# KiCad board 10133.kicad_pcb (continued)
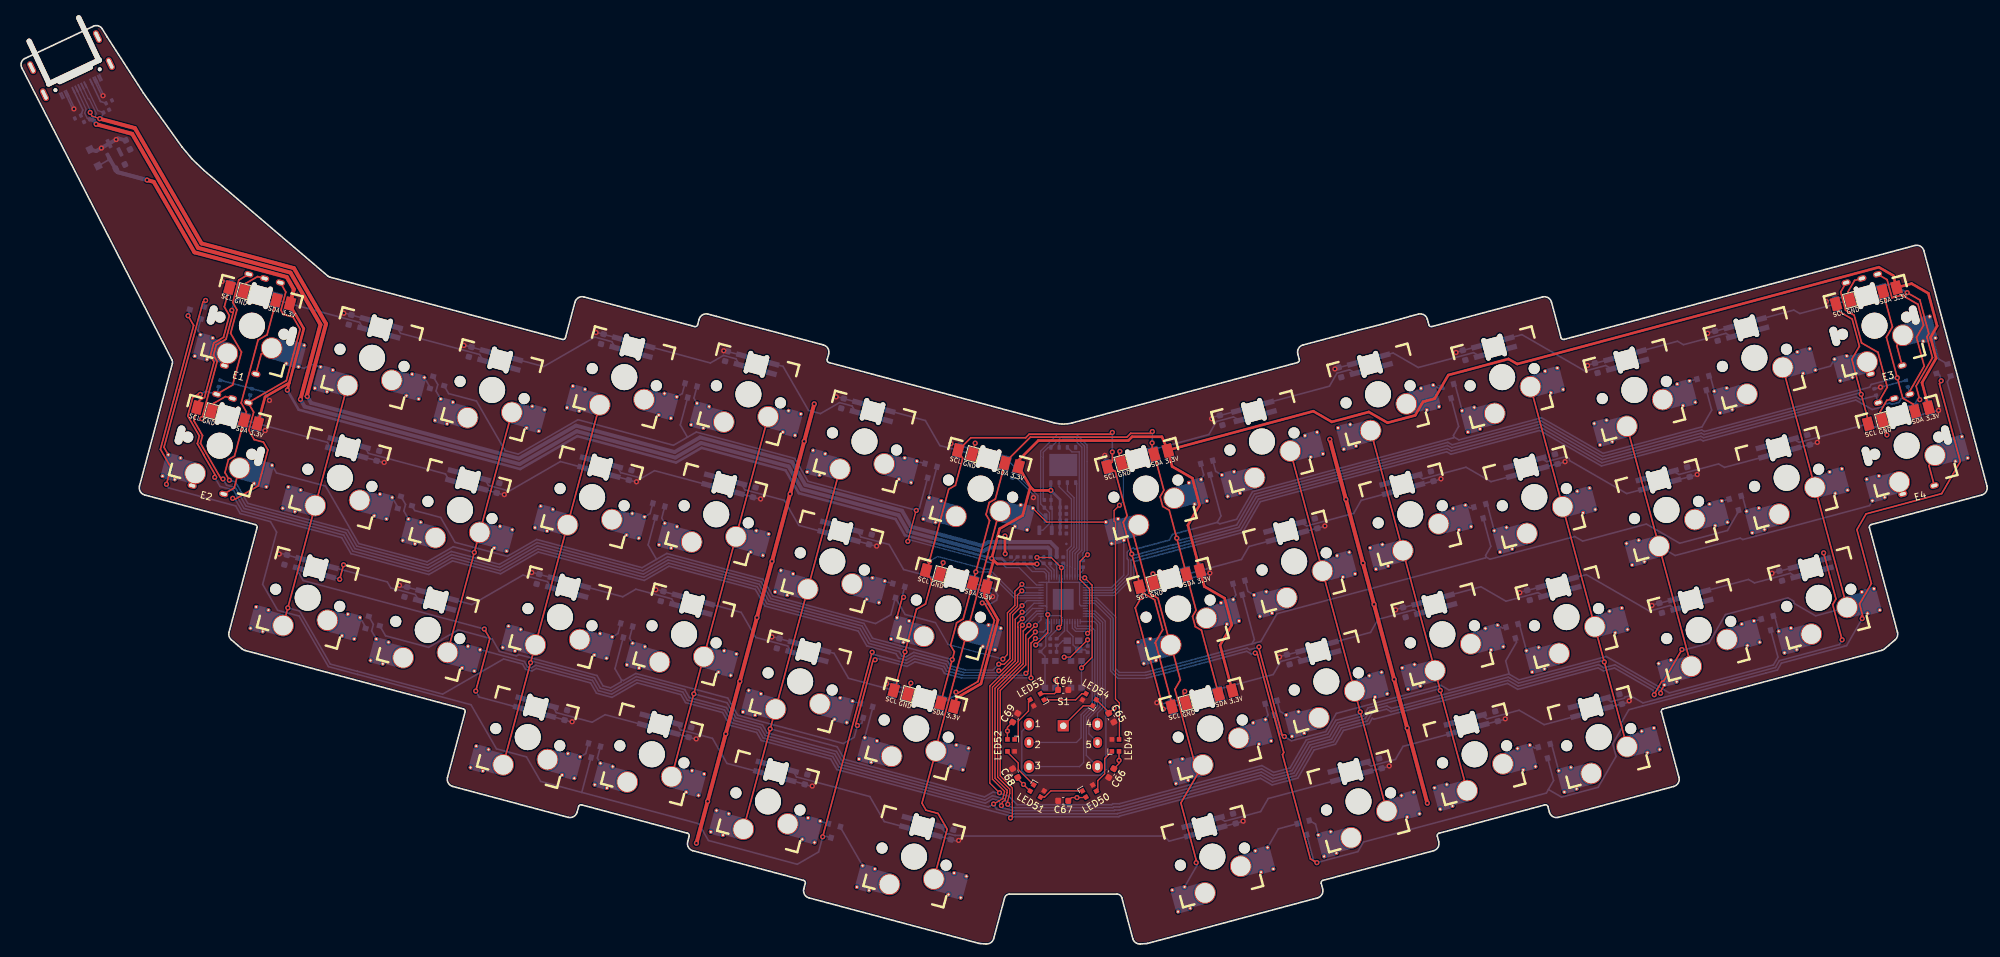
[diagram p0: board, top side]
## Footprints (pads in the part's own frame, mm; a bottom-side part is the same pattern mirrored in y, then rotated) (continued)
  oval 3.2x0.725 hole 3.2x0.725 unplated: (0,-1.088) (0,0) (0,0) (0,1.088)
  round 2 hole 2 unplated: (0,0)
  round 2.5 hole 2.5 unplated: (0,0)
  rect 1.8x0.82 smd: 1(2.5,0.75) 2(2.5,-0.75) 3(-2.5,-0.75) 4(-2.5,0.75)
WSON-8-1EP_6x5mm_P1.27mm_EP3.4x4.3mm
  rrect 1.37x1.73 smd: (-0.85,-1.075) (-0.85,1.075) (0.85,-1.075) (0.85,1.075)
  rrect 0.75x0.5 smd: 1(-2.7,1.905) 2(-2.7,0.635) 3(-2.7,-0.635) 4(-2.7,-1.905) 5(2.7,-1.905) 6(2.7,-0.635) 7(2.7,0.635) 8(2.7,1.905)
  rect 3.4x4.3 smd: 9(0,0)

## Nets
+1V1: C7.1 C8.1 C13.1 U1.23 U1.45 U1.50
+3V3: C1.1 C2.1 C3.1 C4.1 C5.1 C6.1 C10.1 C15.1 D13.2 J3.4 J4.4 J5.4 J6.4 J7.4 J8.4 J9.4 J10.4 J11.4 J12.4 Q1.1 R1.1 R4.1 R6.2 R9.1 U1.1 U1.10 U1.22 U1.33 U1.42 U1.44 U1.48 U1.49 U2.2 U3.8
+5V: C14.2 C16.1 C17.1 C18.1 C19.1 C20.1 C21.1 C22.1 C23.1 C24.1 C25.1 C26.1 C27.1 C28.1 C29.1 C30.1 C31.1 C32.1 C33.1 C34.1 C35.1 C36.1 C37.1 C38.1 C39.1 C40.1 C41.1 C42.1 C43.1 C44.1 C45.1 C46.1 C47.1 C48.1 C49.1 C50.1 C51.1 C52.1 C53.1 C54.1 C55.1 C56.1 C57.1 C58.1 C59.1 C60.1 C61.1 C62.1 C63.1 C64.1 C65.1 C66.1 C67.1 C68.1 C69.1 D13.1 J13.A4 J13.A9 J13.B4 J13.B9 LED1.1 LED2.1 LED3.1 LED4.1 LED5.1 LED6.1 LED7.1 LED8.1 LED9.1 LED10.1 LED11.1 LED12.1 LED13.1 LED14.1 LED15.1 LED16.1 LED17.1 LED18.1 LED19.1 LED20.1 LED21.1 LED22.1 LED23.1 LED24.1 LED25.1 LED26.1 LED27.1 LED28.1 LED29.1 LED30.1 LED31.1 LED32.1 LED33.1 LED34.1 LED35.1 LED36.1 LED37.1 LED38.1 LED39.1 LED40.1 LED41.1 LED42.1 LED43.1 LED44.1 LED45.1 LED46.1 LED47.1 LED48.1 LED49.4 LED50.4 LED51.4 LED52.4 LED53.4 LED54.4 R7.2 R12.2 R13.2 R14.2 R15.2 U2.3
GND: C1.2 C2.2 C3.2 C4.2 C5.2 C6.2 C7.2 C8.2 C9.2 C10.2 C11.2 C12.1 C13.2 C14.1 C15.2 C16.2 C17.2 C18.2 C19.2 C20.2 C21.2 C22.2 C23.2 C24.2 C25.2 C26.2 C27.2 C28.2 C29.2 C30.2 C31.2 C32.2 C33.2 C34.2 C35.2 C36.2 C37.2 C38.2 C39.2 C40.2 C41.2 C42.2 C43.2 C44.2 C45.2 C46.2 C47.2 C48.2 C49.2 C50.2 C51.2 C52.2 C53.2 C54.2 C55.2 C56.2 C57.2 C58.2 C59.2 C60.2 C61.2 C62.2 C63.2 C64.2 C65.2 C66.2 C67.2 C68.2 C69.2 D26.2 D27.2 E1.3 E2.3 E3.3 E4.3 J3.1 J4.1 J5.1 J6.1 J7.1 J8.1 J9.1 J10.1 J11.1 J12.1 J13.A1 J13.A12 J13.B1 J13.B12 J13.S1 LED1.3 LED2.3 LED3.3 LED4.3 LED5.3 LED6.3 LED7.3 LED8.3 LED9.3 LED10.3 LED11.3 LED12.3 LED13.3 LED14.3 LED15.3 LED16.3 LED17.3 LED18.3 LED19.3 LED20.3 LED21.3 LED22.3 LED23.3 LED24.3 LED25.3 LED26.3 LED27.3 LED28.3 LED29.3 LED30.3 LED31.3 LED32.3 LED33.3 LED34.3 LED35.3 LED36.3 LED37.3 LED38.3 LED39.3 LED40.3 LED41.3 LED42.3 LED43.3 LED44.3 LED45.3 LED46.3 LED47.3 LED48.3 LED49.2 LED50.2 LED51.2 LED52.2 LED53.2 LED54.2 R10.2 R11.2 SW1.1 SW2.1 U1.19 U1.57 U2.1 U3.4 Y1.2 Y1.4
/BOOT: R8.1 SW2.2 U1.56
/c0: E1.5 E3.4 K1.2 K12.1 K13.2 K24.1 K25.2 K36.1 K37.1 K48.2 U1.29
/c1: E2.5 E4.4 K2.1 K11.2 K14.1 K23.2 K26.1 K35.2 K38.1 K47.2 U1.32
/c2: K3.2 K10.1 K15.2 K22.1 K27.2 K34.1 K39.2 K46.1 U1.31
/c3: K4.1 K9.2 K16.1 K21.2 K28.1 K33.2 K40.1 K45.2 U1.30
/c4: K5.2 K8.1 K17.2 K20.1 K29.2 K32.1 K41.2 K44.1 U1.34
/c5: K6.1 K7.2 K18.1 K19.2 K30.1 K31.2 K42.1 K43.2 U1.3
/Center: S1.3 U1.16
/CLK: U1.52 U3.6
/Common: S1.1 U1.12
/CS: R8.2 R9.2 U3.1
/D+: D26.1 J13.A6 J13.B6 R2.1
/D-: D27.1 J13.A7 J13.B7 R3.1
/Down: S1.6 U1.15
/e1A: E1.1 E2.1 R13.1 U1.35
/e1B: E1.2 E2.2 R12.1 U1.38
/e2A: E3.1 E4.1 R15.1 U1.6
/e2B: E3.2 E4.2 R14.1 U1.5
/k37: D20.2 E1.4 K37.2
/k38: D20.1 E2.4 K38.2
/k47: D25.2 E4.5 K47.1
/k48: D25.1 E3.5 K48.1
/Left: S1.2 U1.17
/r0: D1.3 D2.3 D3.3 U1.41
/r1: D7.3 D8.3 D9.3 U1.40
/r2: D14.3 D15.3 D16.3 U1.27
/r3: D20.3 D21.3 D22.3 U1.28
/r4: D4.3 D5.3 D6.3 U1.4
/r5: D10.3 D11.3 D12.3 U1.7
/r6: D17.3 D18.3 D19.3 U1.8
/r7: D23.3 D24.3 D25.3 U1.9
/RESET: R1.2 SW1.2 U1.26
/RGB_3.3v: Q1.2 R6.1 U1.18
/RGB_5v: LED1.4 Q1.3 R7.1
/Right: S1.5 U1.14
/SCL: J3.3 J4.3 J5.3 J6.3 J7.3 J8.3 J9.3 J10.3 J11.3 J12.3 U1.37
/SDA: J3.2 J4.2 J5.2 J6.2 J7.2 J8.2 J9.2 J10.2 J11.2 J12.2 U1.36
/SPI-0: U1.53 U3.5
/SPI-1: U1.55 U3.2
/SPI-2: U1.54 U3.3
/SPI-3: U1.51 U3.7
/Up: S1.4 U1.13
Net-(C12-Pad2): C12.2 R5.2 Y1.3
Net-(D1-A-Pad1): D1.1 K1.1
Net-(D1-A-Pad2): D1.2 K2.2
Net-(D2-A-Pad1): D2.1 K3.1
Net-(D2-A-Pad2): D2.2 K4.2
Net-(D3-A-Pad1): D3.1 K5.1
Net-(D3-A-Pad2): D3.2 K6.2
Net-(D4-A-Pad1): D4.1 K7.1
Net-(D4-A-Pad2): D4.2 K8.2
Net-(D5-A-Pad1): D5.1 K9.1
Net-(D5-A-Pad2): D5.2 K10.2
Net-(D6-A-Pad1): D6.1 K11.1
Net-(D6-A-Pad2): D6.2 K12.2
Net-(D7-A-Pad1): D7.1 K13.1
Net-(D7-A-Pad2): D7.2 K14.2
Net-(D8-A-Pad1): D8.1 K15.1
Net-(D8-A-Pad2): D8.2 K16.2
Net-(D9-A-Pad1): D9.1 K17.1
Net-(D9-A-Pad2): D9.2 K18.2
Net-(D10-A-Pad1): D10.1 K19.1
Net-(D10-A-Pad2): D10.2 K20.2
Net-(D11-A-Pad1): D11.1 K21.1
Net-(D11-A-Pad2): D11.2 K22.2
Net-(D12-A-Pad1): D12.1 K23.1
Net-(D12-A-Pad2): D12.2 K24.2
Net-(D14-A-Pad1): D14.1 K25.1
Net-(D14-A-Pad2): D14.2 K26.2
Net-(D15-A-Pad1): D15.1 K27.1
Net-(D15-A-Pad2): D15.2 K28.2
Net-(D16-A-Pad1): D16.1 K29.1
Net-(D16-A-Pad2): D16.2 K30.2
Net-(D17-A-Pad1): D17.1 K31.1
Net-(D17-A-Pad2): D17.2 K32.2
Net-(D18-A-Pad1): D18.1 K33.1
Net-(D18-A-Pad2): D18.2 K34.2
Net-(D19-A-Pad1): D19.1 K35.1
Net-(D19-A-Pad2): D19.2 K36.2
Net-(D21-A-Pad1): D21.1 K39.1
Net-(D21-A-Pad2): D21.2 K40.2
Net-(D22-A-Pad1): D22.1 K41.1
Net-(D22-A-Pad2): D22.2 K42.2
Net-(D23-A-Pad1): D23.1 K43.1
Net-(D23-A-Pad2): D23.2 K44.2
Net-(D24-A-Pad1): D24.1 K45.1
Net-(D24-A-Pad2): D24.2 K46.2
Net-(J1-Pin_1): LED54.1 RGB.1
Net-(J13-CC1): J13.A5 R10.1
Net-(J13-CC2): J13.B5 R11.1
Net-(LED1-DOUT): LED1.2 LED2.4
Net-(LED2-DOUT): LED2.2 LED3.4
Net-(LED3-DOUT): LED3.2 LED4.4
Net-(LED4-DOUT): LED4.2 LED5.4
Net-(LED5-DOUT): LED5.2 LED6.4
Net-(LED6-DOUT): LED6.2 LED7.4
Net-(LED7-DOUT): LED7.2 LED8.4
Net-(LED8-DOUT): LED8.2 LED9.4
Net-(LED10-DIN): LED9.2 LED10.4
Net-(LED10-DOUT): LED10.2 LED11.4
Net-(LED11-DOUT): LED11.2 LED12.4
Net-(LED12-DOUT): LED12.2 LED13.4
Net-(LED13-DOUT): LED13.2 LED14.4
Net-(LED14-DOUT): LED14.2 LED15.4
Net-(LED15-DOUT): LED15.2 LED16.4
Net-(LED16-DOUT): LED16.2 LED17.4
Net-(LED17-DOUT): LED17.2 LED18.4
Net-(LED18-DOUT): LED18.2 LED19.4
Net-(LED19-DOUT): LED19.2 LED20.4
Net-(LED20-DOUT): LED20.2 LED21.4
Net-(LED21-DOUT): LED21.2 LED22.4
Net-(LED22-DOUT): LED22.2 LED23.4
Net-(LED23-DOUT): LED23.2 LED24.4
Net-(LED24-DOUT): LED24.2 LED25.4
Net-(LED25-DOUT): LED25.2 LED26.4
Net-(LED26-DOUT): LED26.2 LED27.4
Net-(LED27-DOUT): LED27.2 LED28.4
Net-(LED28-DOUT): LED28.2 LED29.4
Net-(LED29-DOUT): LED29.2 LED30.4
Net-(LED30-DOUT): LED30.2 LED31.4
Net-(LED31-DOUT): LED31.2 LED32.4
Net-(LED32-DOUT): LED32.2 LED33.4
Net-(LED33-DOUT): LED33.2 LED34.4
Net-(LED34-DOUT): LED34.2 LED35.4
Net-(LED35-DOUT): LED35.2 LED36.4
Net-(LED36-DOUT): LED36.2 LED37.4
Net-(LED37-DOUT): LED37.2 LED38.4
Net-(LED38-DOUT): LED38.2 LED39.4
Net-(LED39-DOUT): LED39.2 LED40.4
Net-(LED40-DOUT): LED40.2 LED41.4
Net-(LED41-DOUT): LED41.2 LED42.4
Net-(LED42-DOUT): LED42.2 LED43.4
Net-(LED43-DOUT): LED43.2 LED44.4
Net-(LED44-DOUT): LED44.2 LED45.4
Net-(LED45-DOUT): LED45.2 LED46.4
Net-(LED46-DOUT): LED46.2 LED47.4
Net-(LED47-DOUT): LED47.2 LED48.4
Net-(LED48-DOUT): LED48.2 LED49.3
Net-(LED49-DOUT): LED49.1 LED50.3
Net-(LED50-DOUT): LED50.1 LED51.3
Net-(LED51-DOUT): LED51.1 LED52.3
Net-(LED52-DOUT): LED52.1 LED53.3
Net-(LED53-DOUT): LED53.1 LED54.3
Net-(U1-ADC_AVDD): C9.1 R4.2 U1.43
Net-(U1-USB_DM): R3.2 U1.46
Net-(U1-USB_DP): R2.2 U1.47
Net-(U1-XIN): C11.1 U1.20 Y1.1
Net-(U1-XOUT): R5.1 U1.21

Pads without a net: U1 2 11 24 25 39; U3 9

## Via types
v1: diameter 0.8, hole 0.4, Top to Bottom, 187 vias

## Routing (per net, layer and track width the routed paths; a pad name or vN(x,y) marks a point on that pad's centre or on a via; arc(x,y) is an arc through that point)
+1V1: length 23.8
  Top w0.2: v1(158.93,48.48) 159.35,48.9 v1(159.35,57.7) 157.78,59.27 v1(155.6,59.27)
  Bottom w0.2: U1.45 157.83,57.17 C8.1 156.5,58.37 v1(155.6,59.27) ; 159.83,57.74 159.83,58.17 C7.1 ; 159.83,57.74 159.79,57.7 v1(159.35,57.7) ; 159.83,57.74 U1.50 ; U1.23 159.03,48.58 157.63,47.18 C13.1
+3V3: length 512.6
  Top w0.2: v1(157.25,50.5) 157.25,47.69 v1(155.41,45.85)
  Top w0.4: v1(157.73,69.55) 155.13,69.55 154.58,70.1 ; 154.58,70.1 153.4,65.71 149.88,63.67 v1(148.66,59.12) ; 154.58,70.1 J5.4 152.79,74.18 155.81,77.19 169.59,77.19 170.18,77.77 174.74,77.77 J8.4 ; v1(148.66,59.12) 149.51,58.27 v1(155.6,58.27) ; v1(148.66,59.12) 148.91,58.69 J10.4 147.49,53.42 149.64,49.7 147.02,39.89 143.3,37.74 J4.4 ; J12.4 41.12,98.06 43.27,94.34 41.05,86.04 ; J8.4 176.31,73.22 179.41,71.43 180.51,67.31 178.73,64.21 J11.4 181.24,54.82 184.35,53.02 185.45,48.92 183.66,45.81 J3.4 ; J8.4 175.7,75.74 197.94,81.69 200.78,80.06 206.45,81.58 209.31,79.92 213.55,81.06 214.75,83.14 216.53,83.62 218.62,87.23 227.84,89.71 229.19,88.93 284.59,103.78 286.8,102.5 J9.4 289.6,101.26 292.18,99.77 293.52,94.76 292.52,93.02 293.37,89.83 291.2,86.07 J7.4 ; 41.05,86.04 v1(40.75,84.93) ; 41.05,86.04 37.33,83.89 J6.4
  Top w0.6: v1(19.26,117.14) 20.27,116.87 26.51,106.06 40.66,102.27 41.75,100.38 J12.4
  Bottom w0.2: R4.1 152.62,59.36 C6.1 ; R1.1 156.12,45.85 v1(155.41,45.85) ; 162.07,55.45 162.13,55.39 162.13,52.05 162.33,51.85 U1.10 ; 162.07,55.45 U1.1 ; 162.07,55.45 159.33,55.45 ; 157.11,51.65 157.11,50.65 v1(157.25,50.5) 157.42,50.34 159.15,50.34 159.43,50.06 U1.22 ; 157.11,51.65 156.91,51.85 U1.33 ; 157.11,51.65 157.11,55.39 157.05,55.45 ; 157.05,55.45 157.33,55.45 ; 157.05,55.45 U1.42 ; 157.33,55.45 157.43,55.55 157.43,56.08 ; 157.33,55.45 158.93,55.45 ; 159.33,55.45 159.43,55.55 159.43,56.08 ; 159.33,55.45 158.93,55.45 ; U1.48 159.03,55.55 159.03,55.55 158.93,55.45 ; v1(155.6,58.27) 155.5,58.37 C10.1 154.63,58.29 155.41,57.51 156.81,57.51 157.43,56.89 U1.44 ; v1(157.73,69.55) 157.76,69.52 R9.1 R6.2 157.92,66.74 157.92,63.49 Q1.1
  Bottom w0.25: C15.1 14.42,118.86 U2.2 13.28,120.19 D13.2
  Bottom w0.4: C6.1 150.93,58.37 150.18,59.12 v1(148.66,59.12) 135.36,62.69 133.94,65.15 119.11,69.12 117.09,72.63 104.21,76.08 100.3,73.83 85.18,77.88 76.43,72.83 42.49,81.92 v1(40.75,84.93) ; 157.72,69.65 U3.8 157.72,69.55 v1(157.73,69.55) 159.15,68.13 C5.1 C1.1
  Bottom w0.6: U2.2 14.7,118.36 v1(19.26,117.14) 14.75,118.35 C15.1
+5V: length 205.1
  Top w0.25: 148.71,53.33 148.77,53.32 v1(148.8,53.26) ; v1(182.09,56.87) 181.83,56.8
  Bottom w0.2: R7.2 152.48,71.46 155.06,68.87 v1(155.06,68.45)
  Bottom w0.25: LED20.1 40.71,59.63 C34.1 39.72,59.92 v1(39.5,59.79) ; LED15.1 133.95,39.57 C29.1 132.61,39.96 v1(132.54,39.93) ; v1(256.76,71.99) 256.73,71.93 C53.1 255.6,71.65 LED39.1 ; v1(246.34,37.28) 246.21,37.06 C42.1 245.21,36.82 LED28.1 ; LED29.1 269.39,57.17 C43.1 268.26,56.9 v1(268.22,56.84) ; v1(275.17,76.92) 275.13,76.86 C54.1 274,76.58 LED40.1 ; LED5.1 68.98,91.5 C20.1 67.86,91.82 v1(67.79,91.79) ; LED41.1 292.4,81.51 C55.1 293.71,81.83 v1(293.74,81.82) ; LED21.1 83.2,34.36 C35.1 84.32,34.04 v1(84.38,34.07) ; LED19.1 58.66,54.82 58.47,54.71 58.02,54.83 v1(57.93,54.99) ; LED31.1 230.74,54.21 C45.1 229.6,53.94 v1(229.57,53.87) ; LED16.1 116.17,46.81 C30.1 115.05,47.13 v1(114.99,47.1) ; v1(148.8,53.26) 148.47,53.83 C63.1 147.64,54.07 LED14.1 ; v1(37.34,78.73) 37.28,78.69 C23.1 36.01,79.06 LED8.1 ; LED32.1 211.72,51.58 C46.1 210.59,51.31 v1(210.55,51.24) ; v1(131.04,61.02) 130.98,60.98 C28.1 129.86,61.31 LED13.1 ; v1(124.85,83.9) 124.91,83.93 C17.1 126.03,83.61 LED2.1 ; LED12.1 112.08,68.54 C27.1 113.19,68.21 v1(113.26,68.25) ; v1(97.2,54.33) 97.26,54.36 C31.1 98.38,54.04 LED17.1 ; v1(88.04,93.76) 88.11,93.79 C19.1 89.23,93.47 LED4.1 ; LED25.1 186.02,18.49 C39.1 187.15,18.77 v1(187.19,18.83) ; v1(73.99,68.91) 73.93,68.87 C25.1 72.81,69.2 LED10.1 ; LED3.1 108.24,90.84 C18.1 107.69,91.01 v1(107.61,90.97) ; LED26.1 208.41,26.96 C40.1 209.54,27.23 v1(209.57,27.29) ; LED11.1 93.06,71.17 C26.1 94.18,70.84 v1(94.24,70.88) ; v1(199.71,64.1) 199.68,64.03 C50.1 198.54,63.76 LED36.1 ; LED45.1 220.88,91.02 C59.1 219.84,90.76 v1(219.81,90.7) ; LED6.1 50.57,96.43 C21.1 49.46,96.75 v1(49.39,96.72) ; LED42.1 277.93,98.91 C56.1 276.57,98.57 v1(276.53,98.51) ; J13.A4 7.82,128.13 v1(8.05,128.05) 8.1,128.2 J13.B9 ; LED47.1 183.65,81.04 C61.1 182.49,80.76 v1(182.37,80.54) ; v1(173.96,36.99) 174.47,36.7 C48.1 176.15,37.12 LED34.1 ; v1(30.73,101.59) 30.95,101.71 C22.1 32.17,101.36 LED7.1 ; v1(142.41,76.73) 142.47,76.76 C16.1 143.81,76.38 LED1.1 ; v1(227.36,34.53) 227.32,34.46 C41.1 226.19,34.19 LED27.1 ; J13.B4 12.26,130.17 v1(12.51,130.08) 12.56,130.21 J13.A9 ; v1(121.18,24.21) 121.12,24.18 C37.1 120,24.5 LED23.1 ; v1(217.5,71.33) 217.46,71.27 C51.1 216.33,70.99 LED37.1 ; LED48.1 166.29,73.92 C62.1 v1(166,74.92) ; LED38.1 235.35,73.62 C52.1 236.48,73.9 v1(236.51,73.96) ; LED9.1 54.41,74.13 C24.1 55.53,73.8 v1(55.59,73.84) ; v1(258.36,93.64) 258.39,93.7 C57.1 259.53,93.98 LED43.1 ; R14.2 283.91,85.13 v1(284.84,85.38) R15.2 ; LED22.1 102.22,31.73 C36.1 103.33,31.41 v1(103.4,31.44) ; v1(182.09,56.87) 182.08,56.85 C49.1 180.76,56.53 LED35.1 ; LED46.1 201.86,88.39 C60.1 201.29,88.26 v1(201.25,88.18) ; v1(249.82,51.9) 249.85,51.97 C44.1 250.99,52.24 LED30.1 ; LED33.1 193.93,44.35 C47.1 192.8,44.08 v1(192.77,44.01) ; v1(38.01,83.34) 37.26,84.63 R13.2 R12.2 ; v1(239.96,88.71) 239.99,88.77 C58.1 241.13,89.05 LED44.1 ; LED18.1 79.36,56.67 C32.1 78.25,56.99 v1(78.18,56.96) ; v1(143.6,15.87) 143.38,15.75 C38.1 142.38,16.04 LED24.1
  Bottom w0.6: C14.2 14.83,123.53 U2.3 11.45,121.58 D13.1
  vias: v1(12.26,122.05) v1(14.52,123.36)
GND: length 191.1
  Top w0.2: v1(158.43,40.45) 158.85,40.02 C64.2 158.28,38.38 LED53.2 ; C67.2 160.9,22.45 v1(161.73,22.45) 163.04,22.45 LED50.2 ; v1(167.43,36.15) 166.65,35.37 C65.2 166.6,35.56 LED54.2 ; v1(163.36,46.64) 160.7,43.98 v1(159.78,43.98) ; C66.2 168.18,27.67 LED49.2 ; C68.2 152.65,25.34 v1(153.54,24.46) LED51.2 ; C69.2 151.08,33.23 LED52.2
  Top w0.25: J9.1 279.85,99.98 280.87,101.75 E3.3 ; J11.1 173.19,56.43 v1(173.37,56.75) ; J5.1 v1(146.14,76.8) ; J6.1 29.44,82.89 31.26,83.94 E2.3 ; v1(48.77,55.92) v1(49.36,58.14) ; J3.1 178.03,38.36 v1(178.24,38.73) ; v1(168.3,75.53) 168.14,75.27 J8.1 ; J4.1 v1(136.28,40) ; J10.1 v1(141.23,58.47) ; v1(285.82,78.06) 285.71,78.13 J7.1 284.78,81.58 285.81,83.35 E4.3 ; E1.3 36.19,102.34 34.37,101.29 J12.1
  Top w0.4: v1(150.7,62.56) 150.7,59.87 v1(150.74,59.83)
  Top w0.6: v1(121.48,82.82) v1(103.43,15.45) ; v1(200.47,77.38) 215.43,21.55
  Bottom w0.2: v1(163.36,46.64) 163.37,46.63 C11.2
  Bottom w0.25: LED20.3 v1(48.76,55.92)
  vias: v1(105.14,21.86) v1(107.92,32.22) v1(110.07,40.27) v1(112.69,50.04) v1(115.01,58.67) v1(117.78,69.02) v1(119.94,77.07) v1(151.08,32.65) v1(168.18,28.15) v1(202.93,68.18) v1(205.55,58.4) v1(207.25,52.07) v1(210.33,40.57) v1(212.33,33.1) v1(215.41,21.6)
/BOOT: length 21.5
  Top w0.2: v1(162.92,56.15) 164.06,55.01 164.06,43.97 v1(162.43,42.34)
  Bottom w0.2: R8.1 162.65,57.27 162.23,56.85 U1.56 162.81,56.25 v1(162.92,56.15) ; SW2.2 162.43,43.4 v1(162.43,42.34) 162.43,42.34 SW2.2
/c0: length 393.8
  Top w0.2: v1(155.37,48.86) 153.89,47.38 153.89,42.79 149.98,38.88 149.98,25.76 151.83,23.91 151.83,21.71 151.83,19.61 ; 151.83,19.61 v1(151.55,19.33) 151.83,19.61
  Top w0.25: K12.1 K24.1 K36.1 ; v1(254.41,45.14) 251.64,40.34 251.32,40.25 250.17,38.26 v1(250.18,38.22) ; K25.2 K13.2 K1.2 ; K37.1 36.74,90.44 E1.5
  Bottom w0.2: U1.29 156.22,49.71 v1(155.37,48.86)
  Bottom w0.25: v1(254.41,45.14) 254.58,45.05 258.55,46.11 259.53,47.81 259.53,47.81 261.09,50.51 270.66,53.08 271.54,52.57 271.63,52.2 274.9,50.32 K36.1 ; K48.2 277.18,88.61 K12.1 ; K1.2 44.41,88.88 43.35,88.27 K37.1 ; v1(250.18,38.22) 250,38.91 244.08,42.32 242.39,41.87 241.57,42.34 229.26,39.05 227.7,39.95 207.23,34.46 206.97,34.62 206.5,33.8 202.55,32.74 201.33,30.63 198.06,29.75 195.57,25.44 191.62,24.38 189.85,25.4 168.25,19.61 168.14,19.5 151.99,19.5 124.92,26.76 124,28.36 113.36,31.21 112.65,32.43 108.56,33.53 107.43,35.49 101.75,37.01 101.05,38.23 94.33,40.03 90.49,37.81 88.11,38.45 87.2,40.03 78.89,42.25 78.22,41.87 77.24,42.13 76.78,42.92 73.88,43.7 64.54,38.31 51.46,41.81 51.45,41.81 47.33,42.91 42.64,51.05 v1(40.82,51.53)
/c1: length 389.2
  Top w0.2: v1(148.96,21.46) 149.78,21.94 149.78,21.95 150.35,22.28 150.63,23.32 150.63,23.41 148.78,25.27 148.78,39.37 152.69,43.29 152.69,48.57 152.67,48.59 152.67,49.2 v1(153.35,49.88)
  Top w0.25: K11.2 K23.2 K35.2 ; K26.1 v1(69.4,60.04) K14.1 K2.1 ; K38.1 32.6,69.93 E2.5 ; v1(251.16,38.44) 251.1,38.63 K35.2
  Bottom w0.2: v1(153.35,49.88) 154.92,51.45 U1.32
  Bottom w0.25: K47.2 283.16,67.21 265.81,62.56 265.81,62.56 263.75,62.01 263.36,62.24 253.38,59.56 K23.2 ; v1(69.4,60.04) 66.16,60.91 62.15,58.59 51.68,61.4 46.59,70.22 39.08,72.23 K38.1 ; K26.1 77.08,43.31 77.54,42.51 78.16,42.35 78.83,42.74 87.5,40.41 88.41,38.84 90.42,38.3 94.27,40.52 101.34,38.62 102.05,37.39 107.73,35.87 108.86,33.91 112.95,32.82 113.66,31.59 124.3,28.74 125.22,27.14 148.15,21 v1(148.96,21.46) 149.42,20.66 152.01,19.96 167.93,19.96 167.95,20 189.92,25.88 191.68,24.86 195.27,25.82 197.77,30.14 201.04,31.02 202.26,33.13 206.2,34.19 206.91,35.41 209.16,36.02 209.84,35.63 227.77,40.43 229.33,39.53 241.65,42.83 242.47,42.35 244.15,42.8 251.06,38.82 v1(251.16,38.44)
/c2: length 328.6
  Top w0.2: v1(153.37,48.88) 153.09,48.6 153.09,43.12 149.18,39.21 149.18,25.43 151.03,23.58 151.03,23.21 151.02,23.21 150.7,22.02 150.31,21.79 v1(150.15,21.21)
  Top w0.25: 78.01,43.12 v1(78.01,43.14) ; 78.01,43.12 K27.2 K15.2 K3.2 ; 78.01,43.12 K39.2 ; K46.1 v1(242.53,43.24) K34.1 K22.1 K10.1
  Bottom w0.2: U1.31 155.51,51.05 153.37,48.91 v1(153.37,48.88)
  Bottom w0.25: v1(242.53,43.24) 242.18,43.44 229.4,40.01 227.83,40.92 209.9,36.11 209.23,36.5 206.61,35.8 205.91,34.57 201.96,33.52 200.74,31.4 197.47,30.53 194.98,26.21 191.74,25.34 189.98,26.36 168.24,20.54 167.52,20.54 167.44,20.45 152,20.45 151.99,20.44 150.36,20.87 149.7,22.01 148.84,22.24 147.7,21.58 125.52,27.53 124.59,29.13 113.95,31.98 113.25,33.2 109.16,34.3 108.02,36.26 102.35,37.78 101.64,39.01 94.2,41 90.36,38.78 88.71,39.22 87.8,40.8 78.35,43.33 v1(78.01,43.14)
/c3: length 273.5
  Top w0.2: v1(151.13,21.42) 151.03,21.59 151.43,23.09 151.43,23.74 149.58,25.6 149.58,39.04 153.49,42.95 153.49,47.99 v1(154.37,48.87)
  Top w0.25: 103.03,38.36 K28.1 K16.1 K4.1 ; 103.03,38.36 K40.1 ; 103.03,38.36 v1(103.03,38.35) ; K45.2 K33.2 K21.2 K9.2
  Bottom w0.2: U1.30 155.68,50.65 154.37,49.34 v1(154.37,48.87)
  Bottom w0.25: v1(103.03,38.35) 108.13,36.98 109.45,34.69 113.54,33.59 114.25,32.37 124.89,29.52 125.81,27.91 147.63,22.07 148.78,22.73 150.67,22.22 151.32,21.08 151.99,20.9 167.25,20.9 167.37,21.02 168.22,21.02 190.02,26.86 191.81,25.83 194.68,26.6 197.17,30.91 200.45,31.79 201.67,33.9 205.61,34.96 206.31,36.17 206.31,36.18 217.06,39.07 v1(217.4,38.87)
/c4: length 247.5
  Top w0.2: v1(149.87,23.18) 148.38,24.68 148.38,39.54 152.27,43.43 152.27,49.79 153.33,50.85 v1(153.33,50.88)
  Top w0.25: 114.59,32.44 K29.2 K17.2 K5.2 ; 114.59,32.44 K41.2 ; 114.59,32.44 114.74,32.98 v1(114.73,32.99) ; K8.1 K20.1 K32.1 K44.1
  Bottom w0.2: v1(153.33,50.88) 153.79,50.88 155.16,52.25 U1.34
  Bottom w0.25: v1(205.13,35.58) 204.94,35.25 201.37,34.29 200.15,32.18 196.87,31.3 194.38,26.98 191.87,26.31 190.06,27.36 168.22,21.5 167.21,21.5 167.06,21.35 152.57,21.35 151.26,22.67 148.88,23.3 147.57,22.55 128.42,27.68 128.42,27.68 126.11,28.3 124.99,30.24 v1(114.73,32.99)
/c5: length 145
  Top w0.2: K6.1 157.11,64.68 K7.2
  Top w0.25: v1(180,12.46) 180,12.85 180,12.85 177.65,21.63 K31.2 179.62,28.26 176.74,39.04 177.57,40.49 176.15,45.83 K19.2 176.05,45.88 174.14,53.01 172.78,53.79 170.35,62.87 K7.2 ; K42.1 141.84,17.6 140.45,20.01 138.61,20.51 137.98,21.6 K30.1 140.04,29.73 144.9,47.9 K18.1 144.97,48.14 149.83,66.3 K6.1
  Bottom w0.2: U1.3 167.01,54.65 168.91,56.55 K7.2
  Bottom w0.25: v1(180,12.46) 180.11,12.03 K43.2
/Center: length 33.2
  Bottom w0.2: 154.38,27.2 162.09,27.2 162.11,27.19 162.76,27.84 162.76,34.98 164.47,36.69 164.47,48.08 163.81,48.74 161.84,48.74 161.83,48.75 U1.16
/CLK: length 15.2
  Bottom w0.2: U3.6 160.26,69.45 161.28,68.43 161.28,60.86 160.64,60.22 160.64,57.88 160.63,57.87 U1.52
/Common: length 47.6
  Bottom w0.2: U1.12 164.5,51.05 166.07,49.48 166.07,35.79 166.17,35.69 166.17,26.74 165.28,25.85 153.97,25.85 153.28,26.55 153.28,32.6 154.38,33.7
/CS: length 33.2
  Bottom w0.2: R8.2 162.64,58.81 162.64,59.96 162.88,60.2 162.88,76.34 161.42,77.8 159.37,77.8 U3.1 157.31,76.15 156.57,75.41 156.57,74.59 156.57,74.59 156.57,68.26 R9.2 ; 157.87,76.38 157.87,76.15
/D+: length 200.4
  Top w0.2: v1(10.54,127.51) 10.8,126.97 v1(12.01,126.55)
  Top w0.6: v1(12.01,126.55) 17.39,125.11 27.6,107.42 41.76,103.63 46.68,95.09 43.71,83.98 v1(43.8,83.96)
  Bottom w0.2: J13.B6 9.85,131.74 11.71,127.8 D26.1 12.29,126.69 v1(12.01,126.55) ; J13.A6 10.61,127.69 v1(10.54,127.51)
  Bottom w0.6: v1(43.8,83.96) 44.37,82.97 76.22,74.44 84.97,79.49 100.09,75.44 104,77.69 118.08,73.92 120.1,70.41 134.92,66.44 136.35,63.97 147.2,61.06 148.2,61.64 157.64,61.64 158.63,60.65 158.63,59.36 R2.1
/D-: length 199.9
  Top w0.6: v1(42.75,83.51) 45.83,94.98 41.23,102.94 27.07,106.74 16.98,124.22 v1(11.46,125.7)
  Bottom w0.2: J13.B7 9.91,128.01 9.7,127.41 10.09,126.6 D27.1 11.29,126.87 11.47,127.38 10.4,129.57 10.25,129.63 J13.A7
  Bottom w0.6: v1(42.75,83.51) 43.39,82.4 76.33,73.58 85.08,78.63 100.2,74.58 104.11,76.83 117.55,73.23 119.58,69.72 134.4,65.75 135.82,63.29 147.32,60.21 148.32,60.78 157.27,60.78 157.63,60.42 R3.1 ; D27.1 11.11,126.3 v1(11.46,125.7)
/Down: length 26
  Bottom w0.2: S1.6 163.16,28.92 163.16,34.81 164.87,36.52 164.87,48.99 164.41,49.45 U1.15
/e1A: length 188.3
  Top w0.2: v1(153.31,51.88) 151.87,50.43 151.87,43.6 150.17,41.9 v1(149.75,41.9)
  Top w0.25: E1.1 40.51,99.97 39.76,97.18 40.13,96.53 41.63,96.13 42.71,94.27 40.6,86.38 E2.1 35.59,81.55 34.84,78.77 35.68,77.33 37.08,76.96 37.77,75.75 36.3,70.25 32.79,68.22 v1(32.37,68.33)
  Bottom w0.2: U1.35 154.08,52.65 v1(153.31,51.88) ; v1(149.75,41.9) 149.45,41.6 144.38,41.6 144.33,41.65
  Bottom w0.25: v1(32.37,68.33) 32.75,68.23 33.81,66.39 49.08,62.3 50.5,59.85 62.43,56.65 66.04,58.74 73.42,56.76 79.19,60.1 95.43,55.75 99.21,57.93 112.45,54.38 113.93,51.81 128.21,47.98 129.52,45.71 134.02,44.51 134.41,43.83 135.56,43.52 136.78,44.23 141.64,42.93 142.02,42.26 144.33,41.65 ; E2.1 R13.1
/e1B: length 190.3
  Top w0.2: v1(153.28,54.15) 152.61,53.48 152.61,51.75 151.47,50.61 151.47,43.76 150.61,42.9 v1(149.75,42.9)
  Top w0.25: v1(27.42,84.27) 27.16,84.34 26.26,83.82 25.49,80.97 27.27,77.89 26.96,76.72 27.93,75.04 27.92,75 29.71,71.9 v1(29.62,71.56) ; E2.2 32.37,85.71 33.72,90.76 32.06,93.64 33.03,97.25 32.38,98.37 33.3,101.81 E1.2
  Bottom w0.2: U1.38 153.58,53.85 v1(153.28,54.15) ; v1(149.75,42.9) 148.85,42 144.65,42 144.57,42.08 144.44,42.08
  Bottom w0.25: v1(29.62,71.56) 30.43,70.15 32.47,69.61 34.1,66.78 49.38,62.69 50.79,60.24 62.37,57.14 65.98,59.22 73.36,57.25 79.13,60.58 95.37,56.23 99.15,58.41 112.74,54.77 114.23,52.2 128.51,48.37 129.82,46.1 134.52,44.84 134.91,44.16 135.49,44.01 136.72,44.71 141.94,43.32 142.32,42.65 144.44,42.08 ; R12.1 E2.2 28.24,84.75 v1(27.42,84.27)
/e2A: length 164
  Top w0.25: E3.1 285.86,101.86 286.6,99.08 288.14,99.49 290.59,98.08 291.44,94.89 290.36,93.02 291.54,88.61 289.25,84.63 E4.1
  Bottom w0.2: 170.44,58.62 170.44,56.38 167.51,53.45 U1.6 ; R15.1 289.34,84.31 E4.1
  Bottom w0.25: 289.34,84.31 289.11,83.91 287.99,83.61 287.67,83.05 286.57,82.76 286.24,82.94 285.45,82.73 285.26,82.4 283.57,81.95 281.05,83.41 257.66,77.14 257.26,77.37 242.08,73.3 232.64,78.75 219.02,75.1 218.38,75.47 189.83,67.82 187.1,63.1 170.45,58.64 170.44,58.62
/e2B: length 155.5
  Top w0.25: E3.2 278.74,99.97 279.49,97.18 280.81,96.42 281.95,92.17 284.46,90.72 285.88,85.39 E4.2
  Bottom w0.2: U1.5 167.34,53.85 170,56.5 170,58.82 170.28,59.1 170.31,59.1 ; E4.2 284.47,83.03 R14.1
  Bottom w0.25: 170.31,59.1 176.45,60.74 176.49,60.72 186.81,63.49 189.53,68.21 218.44,75.95 219.08,75.58 232.71,79.23 242.15,73.78 257.33,77.85 257.72,77.62 281.12,83.89 281.84,83.47 284.13,84.09 R14.1
/k37: length 2.6
  Bottom w0.25: D20.2 27.02,94.14 K37.2
/k38: length 25.9
  Top w0.25: v1(28.23,98.68) 27.82,98.44 24.23,85.03 21.85,76.16 K38.2
  Bottom w0.25: D20.1 27.97,97.71 v1(28.23,98.68)
/k47: length 14.7
  Top w0.25: K47.1 292.27,73.34 E4.5
  Bottom w0.25: K47.1 295.07,86.18 D25.2
/k48: length 10
  Top w0.25: E3.5 287.34,91.74 K48.1
  Bottom w0.25: D25.1 293.72,89.72 292.99,92.45 K48.1
/Left: length 29.1
  Bottom w0.2: S1.2 161.65,30.9 162.36,31.61 162.36,35.14 164.07,36.85 164.07,47.91 163.64,48.34 161.67,48.34 161.43,48.58 U1.17
/r0: length 122.6
  Top w0.2: v1(137.11,66.48) 137.08,66.46 v1(135.81,61.74)
  Bottom w0.2: v1(135.81,61.74) 136.18,61.95 147.82,58.83 147.96,58.58 148.59,58.42 148.6,58.42 148.61,58.42 150.17,58.42 150.87,57.73 152.85,57.73 155.53,55.05 U1.41
  Bottom w0.25: D2.3 100.96,79.59 102.05,77.71 ; D1.3 65.46,84.4 69.72,83.26 74.11,75.65 76.13,75.11 85.28,80.39 99.9,76.47 102.05,77.71 ; 102.05,77.71 103.41,78.49 118.49,74.45 120.52,70.95 137.1,66.5 v1(137.11,66.48) 137.57,66.75 D3.3
/r1: length 127
  Top w0.2: v1(153.29,55.15) 152.21,54.07 152.21,51.91 151.07,50.77 151.07,44.38 v1(150.37,43.68)
  Bottom w0.2: 140.05,49.27 141.98,45.93 v1(150.37,43.68) ; v1(153.29,55.15) 153.79,54.65 U1.40
  Bottom w0.25: 97.31,58.97 98.88,59.88 113.63,55.93 115.12,53.36 130.87,49.14 133.22,50.49 D9.3 135.39,50.52 140.05,49.27 ; 97.31,58.97 95.1,57.7 78.94,62.03 74.45,59.44 66.43,61.59 64.23,65.4 60.26,66.46 D7.3 ; 97.31,58.97 96.02,61.19 D8.3
/r2: length 137.3
  Top w0.2: v1(154.69,40.8) 154.69,46.12 155.37,46.8 v1(155.37,46.85)
  Top w0.25: v1(128.09,33.5) 127.9,33.83 130.45,43.38 v1(130.8,43.58)
  Bottom w0.2: v1(155.37,46.85) 156.17,46.85 157.43,48.11 U1.27 ; 144.05,40.79 144.05,40.8 v1(154.69,40.8)
  Bottom w0.25: D15.3 90.94,42.22 91.95,40.46 ; D14.3 55.8,47.25 62.39,45.48 64.4,46.64 64.41,46.7 66.94,48.16 72.13,46.77 73.24,44.86 75.84,44.16 76.21,44.37 88.19,41.16 89.1,39.58 90.29,39.27 91.88,40.19 91.95,40.46 ; 144.05,40.79 141.43,41.49 141.05,42.16 136.91,43.27 135.68,42.56 131.14,43.78 v1(130.8,43.58) ; D16.3 128.77,33.89 v1(128.09,33.5) 127.61,31.7 125.94,30.73 109.75,35.07 108.23,37.71 94.14,41.48 92.24,40.38 91.95,40.46
/r3: length 231.8
  Top w0.2: v1(153.91,41.5) 154.29,41.88 154.29,46.76 155.36,47.83 v1(155.36,47.85)
  Top w0.25: v1(22.23,70.49) 22.92,73.06 21.3,75.86 26.39,94.86 v1(25.54,96.34) ; v1(122.77,16.43) v1(130.35,44.74)
  Bottom w0.2: v1(153.91,41.5) 153.61,41.2 144.19,41.2 144.16,41.23 ; U1.28 157.03,48.27 156.6,47.85 v1(155.36,47.85)
  Bottom w0.25: 85.86,23.24 79.56,24.93 77.39,28.69 72.79,29.92 68.88,36.68 51.52,41.33 51.51,41.33 47.04,42.53 42.56,50.28 39.26,51.17 36.96,55.15 39.1,63.14 38.17,64.76 33.51,66.01 32.84,67.17 22.55,69.93 v1(22.23,70.49) ; 85.86,23.24 D21.3 ; 85.86,23.24 103.78,18.44 105.26,15.87 118.88,12.22 122.14,14.11 v1(122.77,16.43) ; D22.3 123,16.57 v1(122.77,16.43) ; v1(122.77,16.43) 122.79,16.4 ; v1(130.35,44.74) 130.55,44.4 135.62,43.04 136.84,43.75 141.34,42.54 141.73,41.88 144.16,41.23 ; v1(25.54,96.34) D20.3
/r4: length 126.8
  Bottom w0.2: 169.91,60.57 169.42,60.09 169.42,59.06 169.6,58.88 169.6,56.67 167.18,54.25 U1.4
  Bottom w0.25: D4.3 182.11,71.91 183.79,65.63 183.22,64.64 ; 219.48,77.74 219.41,77.98 220.21,79.36 D5.3 ; 219.48,77.74 219.41,77.61 188.64,69.37 186.19,65.12 183.6,64.42 183.22,64.64 ; 219.48,77.74 220.25,77.29 232.9,80.68 242.34,75.23 257.5,79.29 258.98,81.87 D6.3 ; 183.22,64.64 176.38,62.81 175.88,61.93 170.64,60.53 170.36,60.69 169.91,60.57
/r5: length 131.9
  Bottom w0.2: 172.17,41.64 168.23,41.64 167.67,42.2 167.67,50.15 164.77,53.05 U1.7
  Bottom w0.25: 224.41,59.33 224.34,59.58 225.14,60.96 D11.3 ; 224.41,59.33 224.34,59.21 192.37,50.64 189.91,46.39 188.53,46.02 ; 224.41,59.33 224.99,59 237.99,62.48 239.21,61.78 248.97,64.39 254.07,61.44 261.4,63.41 263.13,66.4 D12.3 ; 188.53,46.02 172.17,41.64 ; 188.53,46.02 188.91,46.68 D10.3
/r6: length 147.5
  Top w0.25: v1(189.62,45.55) 189.57,45.46 193.17,32 v1(193.51,31.8)
  Bottom w0.2: U1.8 164.6,52.65 167.27,49.98 167.27,42.04 168.1,41.2 172.27,41.2
  Bottom w0.25: D19.3 269.13,43.98 268.44,42.78 252.49,38.51 242.84,44.08 229.46,40.5 227.97,41.36 227.42,43.4 229.08,46.27 D18.3 ; D17.3 192.78,32.22 v1(193.51,31.8) 193.52,31.77 194.59,31.15 199.85,32.56 201.46,35.35 217.5,39.65 218.73,38.94 227.9,41.4 228,41.34 ; v1(189.62,45.55) 189.59,45.51 188.19,45.13 187.8,45.36 172.27,41.2
/r7: length 229.2
  Top w0.25: v1(189.05,44.61) 189.38,44.41 193.41,29.36 193.22,29.03 197.5,13.04 v1(198.49,12.47) ; 281.93,50.33 v1(282.04,49.89) 282.17,50.12 281.63,52.13 283.45,55.28 281.24,63.53 282.63,65.95 294.22,69.06 297.07,73.98 293.88,85.9 v1(294.14,86.36)
  Bottom w0.2: U1.9 164.43,52.25 166.87,49.82 166.87,41.87 168,40.74 172.36,40.74 172.39,40.77
  Bottom w0.25: 233.96,23.68 234.76,25.07 D24.3 ; 233.96,23.68 235.97,22.52 241.58,24.02 244.32,28.77 243.81,30.68 245.3,33.25 245.12,33.9 246.29,35.92 248.38,36.48 248.39,36.48 267.27,41.54 269.05,42.01 269.65,43.06 279.3,45.65 279.3,45.65 279.65,45.74 v1(282.04,49.89) ; 233.96,23.68 233.65,23.14 205.63,15.63 204.78,14.16 198.48,12.47 198.37,12.54 ; v1(294.14,86.36) 293.92,87.2 D25.3 ; D23.3 198,12.76 v1(198.49,12.47) ; 172.39,40.77 187.73,44.88 188.47,44.45 v1(189.05,44.61)
